# Altium PCB h桥 - 副本.PcbDoc (part 2 of 2)
Units mil, origin at the board's own origin, x right, y up, seen from the top; angles counter-clockwise.
Board outline 3690 x 3125 mil, 4 copper layers (Top Layer, PWR, GND, Bottom Layer), stack 23.756 mil thick; 113 components, 70 nets, 318 pads, 298 vias.
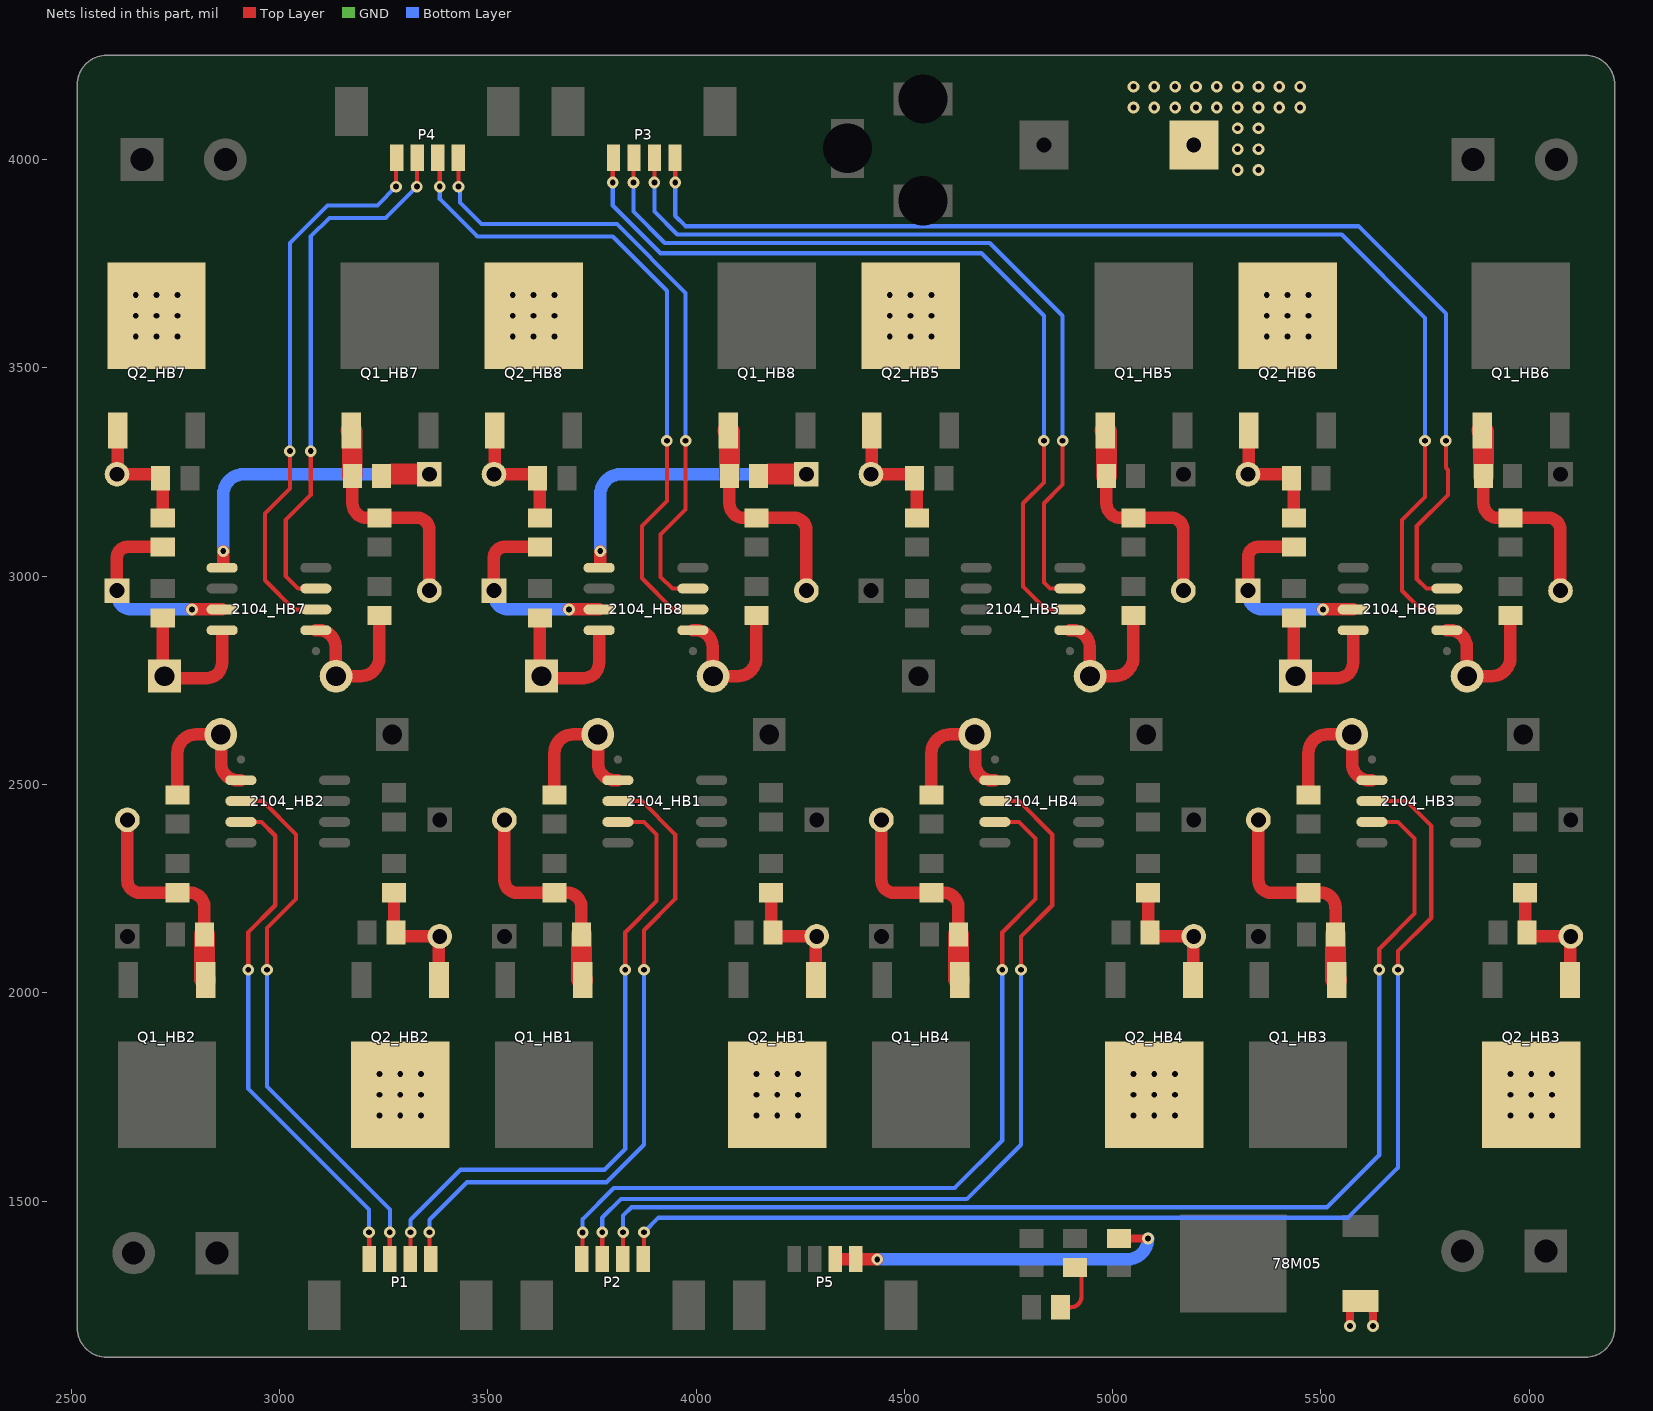
[diagram p4: the nets of this part, all layers, seen from the top]

## Via types
v1: diameter 28, hole 14, Top Layer to Bottom Layer, tented both sides, 298 vias

## Nets (pads, with @x,y where several pads share a name; then routed paths per layer and width w, separated by ;. In a path a pad name is that pad's centre, name@x,y a point inside that pad or via, vN(x,y) a via of type N, cw(c..) or ccw(c..) an arc to the next point about the centre after c; other vN are vias at no path point) (continued)
Net2104_HB6_7: 2104_HB6.7 D2_HB6.2 R3_HB6.1 | length 486.7
  Top Layer w30: D2_HB6.2@5325,2965.24 5325,3045 cw(c5349.96,3045) 5349.96,3069.96 R3_HB6.1@5435,3069.96 ; v1(5505,2920) 2104_HB6.7@5577.48,2920
  Bottom Layer w30: D2_HB6.2@5325,2965.24 5325,2955 ccw(c5360,2955) 5360,2920 v1(5505,2920)
Net2104_HB6_8: 2104_HB6.8 C2_HB6.2 D1_HB6.2 | length 372.5
  Top Layer w30: C2_HB6.2@5435,2899.96 5435,2764.09 ccw(c5439.09,2764.09) D1_HB6.2@5439.09,2760 ccw(c5444.09,2760) 5444.09,2755 5540,2755 ccw(c5540,2792.48) 5577.48,2792.48 2104_HB6.8@5577.48,2860
Net2104_HB7_5: 2104_HB7.5 D3_HB7.2 R1_HB7.1 | length 773.6
  Top Layer w30: 2865,3035 v1(2865,3060)
  Top Layer w50: 3270,3245 3270,3244.76 D3_HB7.2@3360,3244.76
  Bottom Layer w30: v1(2865,3060) 2865,3195 cw(c2914.76,3195) 2914.76,3244.76 D3_HB7.2@3360,3244.76
Net2104_HB7_7: 2104_HB7.7 D2_HB7.2 R3_HB7.1 | length 486.7
  Top Layer w30: D2_HB7.2@2610,2965.24 2610,3045 cw(c2634.96,3045) 2634.96,3069.96 R3_HB7.1@2720,3069.96 ; v1(2790,2920) 2104_HB7.7@2862.48,2920
  Bottom Layer w30: D2_HB7.2@2610,2965.24 2610,2955 ccw(c2645,2955) 2645,2920 v1(2790,2920)
Net2104_HB7_8: 2104_HB7.8 C2_HB7.2 D1_HB7.2 | length 372.5
  Top Layer w30: C2_HB7.2@2720,2899.96 2720,2764.09 ccw(c2724.09,2764.09) D1_HB7.2@2724.09,2760 ccw(c2729.09,2760) 2729.09,2755 2825,2755 ccw(c2825,2792.48) 2862.48,2792.48 2104_HB7.8@2862.48,2860
Net2104_HB8_5: 2104_HB8.5 D3_HB8.2 R1_HB8.1 | length 773.6
  Top Layer w30: 3770,3035 v1(3770,3060)
  Top Layer w50: 4175,3245 4175,3244.76 D3_HB8.2@4265,3244.76
  Bottom Layer w30: v1(3770,3060) 3770,3195 cw(c3819.76,3195) 3819.76,3244.76 D3_HB8.2@4265,3244.76
Net2104_HB8_7: 2104_HB8.7 D2_HB8.2 R3_HB8.1 | length 486.7
  Top Layer w30: D2_HB8.2@3515,2965.24 3515,3045 cw(c3539.96,3045) 3539.96,3069.96 R3_HB8.1@3625,3069.96 ; v1(3695,2920) 2104_HB8.7@3767.48,2920
  Bottom Layer w30: D2_HB8.2@3515,2965.24 3515,2955 ccw(c3550,2955) 3550,2920 v1(3695,2920)
Net2104_HB8_8: 2104_HB8.8 C2_HB8.2 D1_HB8.2 | length 372.5
  Top Layer w30: C2_HB8.2@3625,2899.96 3625,2764.09 ccw(c3629.09,2764.09) D1_HB8.2@3629.09,2760 ccw(c3634.09,2760) 3634.09,2755 3730,2755 ccw(c3730,2792.48) 3767.48,2792.48 2104_HB8.8@3767.48,2860
NetD2_HB1_1: D2_HB1.1 Q2_HB1.1 R3_HB1.2 R4_HB1.2 | length 314.2
  Top Layer w30: R3_HB1.2@4180,2239.96 4180,2150.04 ccw(c4185.04,2150.04) R4_HB1.2@4185.04,2145 ccw(c4194.8,2145) 4194.8,2135.24 4287.96,2135.24 D2_HB1.1@4290,2135.24 ccw(c4290,2133.2) 4287.96,2133.2 Q2_HB1.1@4287.96,2030.59
NetD2_HB2_1: D2_HB2.1 Q2_HB2.1 R3_HB2.2 R4_HB2.2 | length 314.2
  Top Layer w30: R3_HB2.2@3275,2239.96 3275,2150.04 ccw(c3280.04,2150.04) R4_HB2.2@3280.04,2145 ccw(c3289.8,2145) 3289.8,2135.24 D2_HB2.1@3385,2135.24 ccw(c3385,2133.2) 3382.96,2133.2 Q2_HB2.1@3382.96,2030.59
NetD2_HB3_1: D2_HB3.1 Q2_HB3.1 R3_HB3.2 R4_HB3.2 | length 314.2
  Top Layer w30: R3_HB3.2@5990,2239.96 5990,2150.04 ccw(c5995.04,2150.04) R4_HB3.2@5995.04,2145 ccw(c6004.8,2145) 6004.8,2135.24 D2_HB3.1@6100,2135.24 ccw(c6100,2133.2) 6097.96,2133.2 Q2_HB3.1@6097.96,2030.59
NetD2_HB4_1: D2_HB4.1 Q2_HB4.1 R3_HB4.2 R4_HB4.2 | length 314.2
  Top Layer w30: R3_HB4.2@5085,2239.96 5085,2150.04 ccw(c5090.04,2150.04) R4_HB4.2@5090.04,2145 ccw(c5099.8,2145) 5099.8,2135.24 D2_HB4.1@5195,2135.24 ccw(c5195,2133.2) 5192.96,2133.2 Q2_HB4.1@5192.96,2030.59
NetD2_HB5_1: D2_HB5.1 Q2_HB5.1 R3_HB5.2 R4_HB5.2 | length 314.2
  Top Layer w30: Q2_HB5.1@4422.04,3349.41 4422.04,3246.8 cw(c4420,3246.8) D2_HB5.1@4420,3244.76 4515.2,3244.76 cw(c4515.2,3235) R4_HB5.2@4524.96,3235 cw(c4524.96,3229.96) 4530,3229.96 R3_HB5.2@4530,3140.04
NetD2_HB6_1: D2_HB6.1 Q2_HB6.1 R3_HB6.2 R4_HB6.2 | length 314.2
  Top Layer w30: Q2_HB6.1@5327.04,3349.41 5327.04,3246.8 cw(c5325,3246.8) D2_HB6.1@5325,3244.76 5420.2,3244.76 cw(c5420.2,3235) R4_HB6.2@5429.96,3235 cw(c5429.96,3229.96) 5435,3229.96 R3_HB6.2@5435,3140.04
NetD2_HB7_1: D2_HB7.1 Q2_HB7.1 R3_HB7.2 R4_HB7.2 | length 314.2
  Top Layer w30: Q2_HB7.1@2612.04,3349.41 2612.04,3246.8 cw(c2610,3246.8) D2_HB7.1@2610,3244.76 2705.2,3244.76 cw(c2705.2,3235) R4_HB7.2@2714.96,3235 cw(c2714.96,3229.96) 2720,3229.96 R3_HB7.2@2720,3140.04
NetD2_HB8_1: D2_HB8.1 Q2_HB8.1 R3_HB8.2 R4_HB8.2 | length 314.2
  Top Layer w30: Q2_HB8.1@3517.04,3349.41 3517.04,3246.8 cw(c3515,3246.8) D2_HB8.1@3515,3244.76 3610.2,3244.76 cw(c3610.2,3235) R4_HB8.2@3619.96,3235 cw(c3619.96,3229.96) 3625,3229.96 R3_HB8.2@3625,3140.04
NetD3_HB1_1: D3_HB1.1 Q1_HB1.1 R1_HB1.2 R2_HB1.1 | length 545.8
  Top Layer w30: D3_HB1.1@3540,2414.76 3540,2270 ccw(c3570,2270) 3570,2240 R2_HB1.1@3655.04,2240 ; R2_HB1.1@3655.04,2235 ccw(c3655.04,2239.96) R2_HB1.1@3660,2239.96 3690.04,2239.96 cw(c3690.04,2205) 3725,2205 ; R1_HB1.2@3725.04,2140 3725.04,2205
  Top Layer w50: R1_HB1.2@3725.04,2140 3725.04,2033.51 ccw(c3727.96,2033.51) Q1_HB1.1@3727.96,2030.59
NetD3_HB2_1: D3_HB2.1 Q1_HB2.1 R1_HB2.2 R2_HB2.1 | length 545.8
  Top Layer w30: D3_HB2.1@2635,2414.76 2635,2270 ccw(c2665,2270) 2665,2240 R2_HB2.1@2750.04,2240 ; R2_HB2.1@2750.04,2235 ccw(c2750.04,2239.96) R2_HB2.1@2755,2239.96 2785.04,2239.96 cw(c2785.04,2205) 2820,2205 ; R1_HB2.2@2820.04,2140 2820.04,2205
  Top Layer w50: R1_HB2.2@2820.04,2140 2820.04,2033.51 ccw(c2822.96,2033.51) Q1_HB2.1@2822.96,2030.59
NetD3_HB3_1: D3_HB3.1 Q1_HB3.1 R1_HB3.2 R2_HB3.1 | length 545.8
  Top Layer w30: D3_HB3.1@5350,2414.76 5350,2270 ccw(c5380,2270) 5380,2240 R2_HB3.1@5465.04,2240 ; R2_HB3.1@5465.04,2235 ccw(c5465.04,2239.96) R2_HB3.1@5470,2239.96 5500.04,2239.96 cw(c5500.04,2205) 5535,2205 ; R1_HB3.2@5535.04,2140 5535.04,2205
  Top Layer w50: R1_HB3.2@5535.04,2140 5535.04,2033.51 ccw(c5537.96,2033.51) Q1_HB3.1@5537.96,2030.59
NetD3_HB4_1: D3_HB4.1 Q1_HB4.1 R1_HB4.2 R2_HB4.1 | length 545.8
  Top Layer w30: D3_HB4.1@4445,2414.76 4445,2270 ccw(c4475,2270) 4475,2240 R2_HB4.1@4560.04,2240 ; R2_HB4.1@4560.04,2235 ccw(c4560.04,2239.96) R2_HB4.1@4565,2239.96 4595.04,2239.96 cw(c4595.04,2205) 4630,2205 ; R1_HB4.2@4630.04,2140 4630.04,2205
  Top Layer w50: R1_HB4.2@4630.04,2140 4630.04,2033.51 ccw(c4632.96,2033.51) Q1_HB4.1@4632.96,2030.59
NetD3_HB5_1: D3_HB5.1 Q1_HB5.1 R1_HB5.2 R2_HB5.1 | length 545.8
  Top Layer w30: 4984.96,3175 R1_HB5.2@4984.96,3240 ; 4985,3175 ccw(c5019.96,3175) 5019.96,3140.04 R2_HB5.1@5050,3140.04 cw(c5054.96,3140.04) R2_HB5.1@5054.96,3145 ; R2_HB5.1@5054.96,3140 5140,3140 cw(c5140,3110) 5170,3110 D3_HB5.1@5170,2965.24
  Top Layer w50: Q1_HB5.1@4982.04,3349.41 cw(c4982.04,3346.49) 4984.96,3346.49 R1_HB5.2@4984.96,3240
NetD3_HB6_1: D3_HB6.1 Q1_HB6.1 R1_HB6.2 R2_HB6.1 | length 545.8
  Top Layer w30: 5889.96,3175 R1_HB6.2@5889.96,3240 ; 5890,3175 ccw(c5924.96,3175) 5924.96,3140.04 R2_HB6.1@5955,3140.04 cw(c5959.96,3140.04) R2_HB6.1@5959.96,3145 ; R2_HB6.1@5959.96,3140 6045,3140 cw(c6045,3110) 6075,3110 D3_HB6.1@6075,2965.24
  Top Layer w50: Q1_HB6.1@5887.04,3349.41 cw(c5887.04,3346.49) 5889.96,3346.49 R1_HB6.2@5889.96,3240
NetD3_HB7_1: D3_HB7.1 Q1_HB7.1 R1_HB7.2 R2_HB7.1 | length 545.8
  Top Layer w30: 3174.96,3175 R1_HB7.2@3174.96,3240 ; 3175,3175 ccw(c3209.96,3175) 3209.96,3140.04 R2_HB7.1@3240,3140.04 cw(c3244.96,3140.04) R2_HB7.1@3244.96,3145 ; R2_HB7.1@3244.96,3140 3330,3140 cw(c3330,3110) 3360,3110 D3_HB7.1@3360,2965.24
  Top Layer w50: Q1_HB7.1@3172.04,3349.41 cw(c3172.04,3346.49) 3174.96,3346.49 R1_HB7.2@3174.96,3240
NetD3_HB8_1: D3_HB8.1 Q1_HB8.1 R1_HB8.2 R2_HB8.1 | length 545.8
  Top Layer w30: 4079.96,3175 R1_HB8.2@4079.96,3240 ; 4080,3175 ccw(c4114.96,3175) 4114.96,3140.04 R2_HB8.1@4145,3140.04 cw(c4149.96,3140.04) R2_HB8.1@4149.96,3145 ; R2_HB8.1@4149.96,3140 4235,3140 cw(c4235,3110) 4265,3110 D3_HB8.1@4265,2965.24
  Top Layer w50: Q1_HB8.1@4077.04,3349.41 cw(c4077.04,3346.49) 4079.96,3346.49 R1_HB8.2@4079.96,3240
NetLED1_1: LED1.1 R.2 | length 142.7
  Top Layer w10: LED1.1@4875.04,1245 4900,1245 ccw(c4900,1270) 4925,1270 4925,1324.92 ccw(c4910,1324.92) R.2@4910,1339.92
NetP5_3: P5.3 P5.4 R0.2 | length 850.1
  Top Layer w10: P5.4@4383.28,1360 P5.4@4383.28,1360.65
  Top Layer w20: R0.2@5015,1410.04 R0.2@5015,1410.04 v1(5085,1410)
  Top Layer w30: P5.3@4334.06,1360.65 P5.4@4383.28,1360.65 ; P5.4@4383.28,1360 v1(4435,1360)
  Bottom Layer w30: v1(4435,1360) 5035,1360 ccw(c5035,1410) v1(5085,1410)
PWM1: 2104_HB1.2 P1.4 | length 1632
  Top Layer w10: v1(3360,1425) 3360,1363.93 P1.4@3363.28,1360.65 ; 2104_HB1.2@3812.48,2460 3870,2460 3950,2380 3950,2225 3875,2150 v1(3875,2055)
  Bottom Layer w10: v1(3360,1425) 3360,1455 3450,1545 3785,1545 3875,1635 v1(3875,2055)
PWM2: 2104_HB2.2 P1.2 | length 1336.3
  Top Layer w10: 2104_HB2.2@2907.48,2460 2960,2460 3040,2380 3040,2225 2970,2155 v1(2970,2055) ; P1.2@3264.85,1360.65 3264.85,1424.85 v1(3265,1425)
  Bottom Layer w10: v1(2970,2055) 2970,1775 3265,1480 v1(3265,1425)
PWM3: 2104_HB3.2 P2.4 | length 2959.8
  Top Layer w10: P2.4@3873.28,1360.65 3875,1362.38 v1(3875,1425) ; 2104_HB3.2@5622.48,2460 5705,2460 5765,2400 5765,2180 5685,2100 v1(5685,2055)
  Bottom Layer w10: v1(3875,1425) 3910,1460 5518.28,1460 5565,1460 5685,1580 v1(5685,2055)
PWM4: 2104_HB4.2 P2.2 | length 2123.6
  Top Layer w10: P2.2@3774.85,1360.65 3775,1360.8 v1(3775,1425) ; 2104_HB4.2@4717.48,2460 4775,2460 4855,2380 4855,2210 4780,2135 v1(4780,2055)
  Bottom Layer w10: v1(3775,1425) 3775,1460 3820,1505 4650,1505 4780,1635 v1(4780,2055)
PWM5: 2104_HB5.2 P3.4 | length 2066.1
  Top Layer w10: v1(3800,3945) 3800,4002.62 cw(c3801.72,4002.62) P3.4@3801.72,4004.35 ; v1(4835,3325) 4835,3225 4785,3175 4785,2975 4840,2920 2104_HB5.2@4897.52,2920
  Bottom Layer w10: v1(3800,3945) 3800,3890 3915,3775 4685,3775 4835,3625 v1(4835,3325)
PWM6: 2104_HB6.2 P3.2 | length 2889.1
  Top Layer w10: v1(3900,3945) 3900,4004.35 P3.2@3900.15,4004.35 ; v1(5750,3325) 5750,3190 5695,3135 5695,2965 5740,2920 2104_HB6.2@5802.52,2920
  Bottom Layer w10: v1(3900,3945) 3900,3875 3955,3820 5550,3820 5750,3620 v1(5750,3325)
PWM7: 2104_HB7.2 P4.4 | length 1367.3
  Top Layer w10: v1(3025,3300) 3025,3210 2965,3150 2965,2990 3035,2920 2104_HB7.2@3087.52,2920 ; v1(3280,3935) 3280,4002.62 P4.4@3281.72,4004.35
  Bottom Layer w10: v1(3025,3300) 3025,3800 3115,3890 3235,3890 v1(3280,3935)
PWM8: 2104_HB8.2 P4.2 | length 1613.9
  Top Layer w10: P4.2@3380,4004.35 P4.2@3380.15,4004.35 cw(c3380.15,3999.5) 3385,3999.5 v1(3385,3935) ; v1(3930,3325) 3930,3180 3870,3120 3870,2995 3945,2920 2104_HB8.2@3992.52,2920
  GND w10: v1@3380,3930 v1(3385,3935)
  Bottom Layer w10: v1(3385,3935) 3385,3905 3475,3815 3800,3815 3930,3685 v1(3930,3325)
SD1: 2104_HB1.3 P1.3 | length 1571.2
  Top Layer w10: P1.3@3314.06,1360.65 3315,1361.59 v1(3315,1425) ; 2104_HB1.3@3812.48,2410 3875,2410 3905,2380 3905,2220 3830,2145 v1(3830,2055)
  Bottom Layer w10: v1(3315,1425) 3315,1455 3435,1575 3780,1575 3830,1625 v1(3830,2055)
SD2: 2104_HB2.3 P1.1 | length 1264.1
  Top Layer w10: 2104_HB2.3@2907.48,2410 2956.85,2410 2990,2376.85 2990,2210 2925,2145 v1(2925,2055) ; v1(3215,1425) 3220,1420 ccw(c3220,1415.64) 3215.64,1415.64 P1.1@3215.64,1360.65
  Bottom Layer w10: v1(2925,2055) 2925,1770 3215,1480 v1(3215,1425)
SD3: 2104_HB3.3 P2.3 | length 2894.1
  Top Layer w10: P2.3@3824.06,1360.65 3825,1361.59 v1(3825,1425) ; 2104_HB3.3@5622.48,2410 5685,2410 5725,2370 5725,2190 5640,2105 v1(5640,2055)
  Bottom Layer w10: v1(3825,1425) 3825,1465 3845,1485 5515,1485 5640,1610 v1(5640,2055)
SD4: 2104_HB4.3 P2.1 | length 2066.4
  Top Layer w10: P2.1@3725.64,1360.65 3727.82,1362.83 v1@3727.82,1422.82 ; 2104_HB4.3@4717.48,2410 4775,2410 4815,2370 4815,2225 4735,2145 v1(4735,2055) ; v1@3727.82,1422.82 v1(3727.82,1424.42) ; v1@3727.82,1422.82 3725.64,1420.64 cw(c3730,1420.64) v1(3727.82,1424.42) ; v1(3727.82,1424.42) cw(c3730,1420.64) 3730,1425 3729.42,1424.42 v1(3727.82,1424.42)
  Bottom Layer w10: v1(3727.82,1424.42) 3727.82,1456.1 3802.57,1530.86 4620.86,1530.86 4735,1645 v1(4735,2055)
SD5: 2104_HB5.3 P3.3 | length 1990.8
  Top Layer w10: v1(3850,3945) 3850,4003.41 cw(c3850.94,4003.41) P3.3@3850.94,4004.35 ; v1(4880,3325) 4880,3220 4835,3175 4835,2985 4850,2970 2104_HB5.3@4897.52,2970
  Bottom Layer w10: v1(3850,3945) 3850,3875 3925,3800 4705,3800 4880,3625 v1(4880,3325)
SD6: 2104_HB6.3 P3.1 | length 2844.1
  Top Layer w10: P3.1@3949.36,4004.35 cw(c3949.36,3998.71) 3955,3998.71 3950,3993.71 v1(3950,3945) ; v1(5800,3325) 5800,3260.06 5805,3255.06 5805,3195 5730,3120 5730,2993.15 5753.15,2970 2104_HB6.3@5802.52,2970
  Bottom Layer w10: v1(3950,3945) 3950,3865 3975,3840 5590,3840 5800,3630 v1(5800,3325)
SD7: 2104_HB7.3 P4.3 | length 1299.2
  Top Layer w10: v1(3075,3300) 3075,3195 3015,3135 3015,3000 3045,2970 2104_HB7.3@3087.52,2970 ; v1(3330,3935) 3330,4003.41 P4.3@3330.94,4004.35
  Bottom Layer w10: v1(3075,3300) 3075,3815 3120,3860 3255,3860 v1(3330,3935)
SD8: 2104_HB8.3 P4.1 | length 1544.1
  Top Layer w10: P4.1@3429.36,4004.35 3430,4004.35 v1(3430,3935) ; v1(3975,3325) 3975,3160 3915,3100 3915,2998.15 3943.15,2970 2104_HB8.3@3992.52,2970
  Bottom Layer w10: v1@3425,3930 v1(3430,3935) 3433.44,3931.56 3433.44,3896.56 3485,3845 3810,3845 3975,3680 v1(3975,3325)
VCC: 78M05.1 2104_HB1.1 2104_HB2.1 2104_HB3.1 2104_HB4.1 2104_HB5.1 2104_HB6.1 2104_HB7.1 2104_HB8.1 C1_HB1.2 C1_HB2.2 C1_HB3.2 C1_HB4.2 C1_HB5.2 C1_HB6.2 C1_HB7.2 C1_HB8.2 D1_HB1.1 D1_HB2.1 D1_HB3.1 D1_HB4.1 D1_HB5.1 D1_HB6.1 D1_HB7.1 D1_HB8.1 pad2.1 Q2_HB1.2 Q2_HB2.2 Q2_HB3.2 Q2_HB4.2 Q2_HB5.2 Q2_HB6.2 Q2_HB7.2 Q2_HB8.2 | length 3233
  Top Layer w20: v1(5570,1200) 5570,1234.64 cw(c5595.2,1234.64) 78M05.1@5595.2,1259.84 cw(c5595.2,1230.04) 5625,1230.04 v1(5625,1200)
  Top Layer w30: C1_HB2.2@2755,2475.04 2755,2575 cw(c2800,2575) 2800,2620 D1_HB2.1@2859.09,2620 ; D1_HB2.1@2850,2610.91 cw(c2859.09,2610.91) D1_HB2.1@2859.09,2620 ; 2104_HB2.1@2907.48,2510 2900,2510 cw(c2900,2550) 2860,2550 2860,2620 D1_HB2.1@2859.09,2620 ; 2104_HB7.1@3087.52,2870 3095,2870 cw(c3095,2830) 3135,2830 3135,2760 D1_HB7.1@3135.91,2760 ; D1_HB7.1@3145,2769.09 cw(c3135.91,2769.09) D1_HB7.1@3135.91,2760 ; C1_HB7.2@3240,2904.96 3240,2805 cw(c3195,2805) 3195,2760 D1_HB7.1@3135.91,2760 ; C1_HB1.2@3660,2475.04 3660,2575 cw(c3705,2575) 3705,2620 D1_HB1.1@3764.09,2620 ; D1_HB1.1@3755,2610.91 cw(c3764.09,2610.91) D1_HB1.1@3764.09,2620 ; 2104_HB1.1@3812.48,2510 3805,2510 cw(c3805,2550) 3765,2550 3765,2620 D1_HB1.1@3764.09,2620 ; 2104_HB8.1@3992.52,2870 4000,2870 cw(c4000,2830) 4040,2830 4040,2760 D1_HB8.1@4040.91,2760 ; D1_HB8.1@4050,2769.09 cw(c4040.91,2769.09) D1_HB8.1@4040.91,2760 ; C1_HB8.2@4145,2904.96 4145,2805 cw(c4100,2805) 4100,2760 D1_HB8.1@4040.91,2760 ; C1_HB4.2@4565,2475.04 4565,2575 cw(c4610,2575) 4610,2620 D1_HB4.1@4669.09,2620 ; D1_HB4.1@4660,2610.91 cw(c4669.09,2610.91) D1_HB4.1@4669.09,2620 ; 2104_HB4.1@4717.48,2510 4710,2510 cw(c4710,2550) 4670,2550 4670,2620 D1_HB4.1@4669.09,2620 ; 2104_HB5.1@4897.52,2870 4905,2870 cw(c4905,2830) 4945,2830 4945,2760 D1_HB5.1@4945.91,2760 ; D1_HB5.1@4955,2769.09 cw(c4945.91,2769.09) D1_HB5.1@4945.91,2760 ; C1_HB5.2@5050,2904.96 5050,2805 cw(c5005,2805) 5005,2760 D1_HB5.1@4945.91,2760 ; C1_HB3.2@5470,2475.04 5470,2575 cw(c5515,2575) 5515,2620 D1_HB3.1@5574.09,2620 ; D1_HB3.1@5565,2610.91 cw(c5574.09,2610.91) D1_HB3.1@5574.09,2620 ; 2104_HB3.1@5622.48,2510 5615,2510 cw(c5615,2550) 5575,2550 5575,2620 D1_HB3.1@5574.09,2620 ; 2104_HB6.1@5802.52,2870 5810,2870 cw(c5810,2830) 5850,2830 5850,2760 D1_HB6.1@5850.91,2760 ; D1_HB6.1@5860,2769.09 cw(c5850.91,2769.09) D1_HB6.1@5850.91,2760 ; C1_HB6.2@5955,2904.96 5955,2805 cw(c5910,2805) 5910,2760 D1_HB6.1@5850.91,2760
  other v1: 3240,1705 3290,1705 3340,1705 4145,1705 4195,1705 4245,1705 5050,1705 5100,1705 5150,1705 5955,1705 6005,1705 6055,1705 3240,1755 3290,1755 3340,1755 4145,1755 4195,1755 4245,1755 5050,1755 5100,1755 5150,1755 5955,1755 6005,1755 6055,1755 3240,1805 3290,1805 3340,1805 4145,1805 4195,1805 4245,1805 5050,1805 5100,1805 5150,1805 5955,1805 6005,1805 6055,1805 2655,3575 2705,3575 2755,3575 3560,3575 3610,3575 3660,3575 4465,3575 4515,3575 4565,3575 5370,3575 5420,3575 5470,3575 2655,3625 2705,3625 2755,3625 3560,3625 3610,3625 3660,3625 4465,3625 4515,3625 4565,3625 5370,3625 5420,3625 5470,3625 2655,3675 2705,3675 2755,3675 3560,3675 3610,3675 3660,3675 4465,3675 4515,3675 4565,3675 5370,3675 5420,3675 5470,3675 5300,3975 5350,3975 5300,4025 5350,4025 5300,4075 5350,4075 5050,4125 5100,4125 5150,4125 5200,4125 5250,4125 5300,4125 5350,4125 5400,4125 5450,4125 5050,4175 5100,4175 5150,4175 5200,4175 5250,4175 5300,4175 5350,4175 5400,4175 5450,4175
pads on no net: 2104_HB1.0 2104_HB2.0 2104_HB3.0 2104_HB4.0 2104_HB5.0 2104_HB6.0 2104_HB7.0 2104_HB8.0 P1.0 P2.0 P3.0 P4.0 P5.0

## Polygon pours and split planes (outlines as drawn)
VCC on PWR "PWR-VCC" (solid, remove dead copper, pour order 84): 2538.07,4168.34 cw(c2594.74,4168.34) 2594.74,4225 6145,4225 cw(c6145,4180) 6190,4180 6190,1240 cw(c6090,1240) 6090,1140 2630,1140 cw(c2630,1240) 2530,1240 2530,1285
+12 on PWR "PWR-+12" (solid, remove dead copper, pour order 48): 4460,4090 4930.08,4090 4930.08,3890 cw(c4865.08,3890) 4865.08,3825 4460,3825
MT8 on PWR "GND-MT8" (solid, pour order 66): 4285,3525 cw(c4260,3525) 4260,3500 4095,3500 cw(c4095,3545) 4050,3545 4050,3840 ccw(c3950,3840) 3950,3940 2870,3940 cw(c2870,4035) 2775,4035 2775,4180 cw(c2820,4180) 2820,4225 4185,4225 cw(c4185,4125) 4285,4125
MT5 on PWR "PWR-MT5" (solid, pour order 82): 5730,3775 5730,4170 cw(c5785,4170) 5785,4225 5885.91,4225 cw(c5885.91,4170.17) 5940.74,4170.17 5940.74,3775
MT4 on PWR "GND-MT4" (solid, pour order 76): 4425,1830 cw(c4467.5,1837.5) 4460,1880 4615,1880 cw(c4612.5,1832.5) 4660,1830 4660,1535 ccw(c4760,1535) 4760,1435 5840,1435 cw(c5840,1340) 5935,1340 5935,1195 cw(c5890,1195) 5890,1150 5755,1145 cw(c5767.5,1197.5) 5715.84,1213.13 5715.84,1229.16 ccw(c5596.79,1200.95) 5625,1320 4525.91,1320 cw(c4525,1420) 4425,1420
MT3 on PWR "GND-MT3" (solid, pour order 78): 5325,1845 5325,1855 cw(c5350,1855) 5350,1880 5525,1880 cw(c5525,1845) 5560,1845 5560,1675 ccw(c5660,1675) 5660,1575 6085,1575 cw(c6085,1485) 6175,1485 6175,1230 cw(c6095,1230) 6095,1150 6030,1150 cw(c6030,1225) 5955,1225 5955,1355 ccw(c5855,1355) 5855,1455 5420,1455 cw(c5420,1555) 5320,1555 5320,1850
MT1 on PWR "GND-MT1" (solid, pour order 74): 3520,1840 cw(c3560,1840) 3560,1880 3715,1880 cw(c3715,1845) 3750,1845 3750,1275 cw(c3650,1275) 3650,1175 2790,1175 2790,1585 cw(c2835,1525) 2835,1600 3460,1600 ccw(c3460,1660) 3520,1660
MT2 on PWR "GND-MT2" (solid, pour order 72): 2621.19,1875.87 2821.19,1875.87 cw(c2821.19,1845.87) 2851.19,1845.87 2851.19,1695.87 cw(c2781.19,1695.87) 2781.19,1625.87 ccw(c2781.19,1600.87) 2756.19,1600.87 2756.19,1190.87 cw(c2711.2,1190.86) 2711.19,1145.87 2611.19,1145.87 cw(c2611.19,1200.87) 2556.19,1200.87 2556.19,1830.87 cw(c2606.19,1830.87) 2606.19,1880.87 2621.19,1880.87
MT6 on PWR "GND-MT6" (solid, pour order 68): 6125,3500 5880,3495 cw(c5880,3515) 5860,3515 5860,3675 cw(c5930,3675) 5930,3745 ccw(c5930,3770) 5955,3770 5955,4180 cw(c6000,4180) 6000,4225 6100,4225 cw(c6100,4170) 6155,4170 6155,3542.7 cw(c6124.34,3532.35)
MT5 on PWR "GND-MT5" (solid, pour order 70): 4980,3500 5155,3500 ccw(c5155,3535) 5190,3535 5190,3670 cw(c5290,3670) 5290,3770 5850,3770 ccw(c5872.5,3822.5) 5925,3800 4980,3795
MT7 on PWR "Top Layer-MT7" (solid, pour order 64): 3385,3530 3385,3520 cw(c3360,3520) 3360,3495 3185,3495 cw(c3185,3530) 3150,3530 3150,3700 ccw(c3050,3700) 3050,3800 2625,3800 cw(c2625,3890) 2535,3890 2535,4145 cw(c2615,4145) 2615,4225 2680,4225 cw(c2680,4150) 2755,4150 2755,4020 ccw(c2855,4020) 2855,3920 3290,3920 cw(c3290,3820) 3390,3820 3390,3525
no net on PWR "PWR-No Net" (solid, pour order 46): 4280,4225
no net on PWR "PWR-No Net 1" (solid, pour order 4): 4450,1880
MT8 on GND "GND-MT8" (solid, pour order 44): 4285,3525 cw(c4260,3525) 4260,3500 4095,3500 cw(c4095,3545) 4050,3545 4050,3840 ccw(c3950,3840) 3950,3940 2870,3940 cw(c2870,4035) 2775,4035 2775,4180 cw(c2820,4180) 2820,4225 4185,4225 cw(c4185,4125) 4285,4125
GND on GND "GND-GND 1" (solid, pour order 50): 4310,4230 4720,4230 4720,3620 ccw(c4855,3570) 4805,3435 6065,3435 cw(c6065.01,3335.01) 6165,3335 6165,2075 cw(c6065.01,2074.99) 6065,1975 2605,1975 cw(c2605,2035) 2545,2035 2545,3305 cw(c2642.5,3317.5) 2630,3415 4310,3415
MT6 on GND "GND-MT6" (solid, pour order 60): 6125,3500 5880,3495 cw(c5880,3515) 5860,3515 5860,3675 cw(c5930,3675) 5930,3745 ccw(c5930,3770) 5955,3770 5955,4180 cw(c6000,4180) 6000,4225 6100,4225 cw(c6100,4170) 6155,4170 6155,3542.7 cw(c6124.34,3532.35)
MT7 on GND "GND-MT7" (solid, pour order 58): 3385,3530 3385,3520 cw(c3360,3520) 3360,3495 3185,3495 cw(c3185,3530) 3150,3530 3150,3700 ccw(c3050,3700) 3050,3800 2625,3800 cw(c2625,3890) 2535,3890 2535,4145 cw(c2615,4145) 2615,4225 2680,4225 cw(c2680,4150) 2755,4150 2755,4020 ccw(c2855,4020) 2855,3920 3290,3920 cw(c3290,3820) 3390,3820 3390,3525
MT4 on GND "GND-MT4" (solid, pour order 8): 4425,1835 cw(c4467.5,1842.5) 4460,1885 4615,1885 cw(c4612.5,1837.5) 4660,1835 4660,1540 ccw(c4760,1540) 4760,1440 5840,1440 cw(c5840,1345) 5935,1345 5935,1200 cw(c5890,1200) 5890,1155 5755,1150 cw(c5767.5,1202.5) 5715.84,1218.13 5715.84,1234.16 ccw(c5596.79,1205.95) 5625,1325 4525.91,1325 cw(c4525,1425) 4425,1425
GND on GND "GND-GND" (solid, pour order 52): 4060,1285 5395,1285 cw(c5395,1235) 5445,1235 5445,1165 cw(c5425,1165) 5425,1145 3995,1145 cw(c3995,1245) 3895,1245 3895,1980 cw(c3915,1980) 3915,2000 4030,2000 cw(c4030,1970) 4060,1970
MT2 on GND "GND-MT2" (solid, pour order 16): 2621.19,1875.87 2821.19,1875.87 cw(c2821.19,1845.87) 2851.19,1845.87 2851.19,1695.87 cw(c2781.19,1695.87) 2781.19,1625.87 ccw(c2781.19,1600.87) 2756.19,1600.87 2756.19,1190.87 cw(c2711.2,1190.86) 2711.19,1145.87 2611.19,1145.87 cw(c2611.19,1200.87) 2556.19,1200.87 2556.19,1830.87 cw(c2606.19,1830.87) 2606.19,1880.87 2621.19,1880.87
MT1 on GND "GND-MT1" (solid, pour order 12): 3520,1840 cw(c3560,1840) 3560,1880 3715,1880 cw(c3715,1845) 3750,1845 3750,1275 cw(c3650,1275) 3650,1175 2790,1175 2790,1585 cw(c2835,1525) 2835,1600 3460,1600 ccw(c3460,1660) 3520,1660
MT3 on GND "GND-MT3" (solid, pour order 2): 5325,1850 5325,1860 cw(c5350,1860) 5350,1885 5525,1885 cw(c5525,1850) 5560,1850 5560,1680 ccw(c5660,1680) 5660,1580 6085,1580 cw(c6085,1490) 6175,1490 6175,1235 cw(c6095,1235) 6095,1155 6030,1155 cw(c6030,1230) 5955,1230 5955,1360 ccw(c5855,1360) 5855,1460 5420,1460 cw(c5420,1560) 5320,1560 5320,1855
MT5 on GND "GND-MT5" (solid, pour order 40): 4960,3530 ccw(c4990,3530) 4990,3500 5155,3500 ccw(c5155,3535) 5190,3535 5190,3670 cw(c5290,3670) 5290,3770 5855,3770 ccw(c5855,3855) 5940,3855 5940,4165 ccw(c5887.5,4172.5) 5895,4225 5080,4225 ccw(c5108.87,4077.9) 4960,4060.26
+12 on Top Layer "Top Layer-+12" (solid, pour order 92): 4465,4019.91 cw(c4510,4020) 4510,4065 4595,4065 ccw(c4595,4120) 4650,4120 4650,4165 cw(c4705,4165) 4705,4220 4880,4220 cw(c4880,4165) 4935,4165 4935,3910 cw(c4845,3910) 4845,3820 4515,3820 cw(c4515,3870) 4465,3870
VCC on Top Layer "Top Layer-VCC" (solid, pour order 86): 5281.35,3479.76 5281.35,3699.76 ccw(c5181.35,3699.76) 5181.35,3799.76 5066.35,3799.76 cw(c5066.35,3899.76) 4966.35,3899.76 4966.35,4169.76 cw(c5021.35,4169.76) 5021.35,4224.76 5450,4224.76 cw(c5437.62,4122.38) 5540,4110 5540,3560 cw(c5449.98,3569.75) 5440,3479.76
MT2 on Top Layer "Top Layer-MT2" (solid, pour order 62): 2620,1875 2820,1875 cw(c2820,1845) 2850,1845 2850,1695 cw(c2780,1695) 2780,1625 ccw(c2780,1600) 2755,1600 2755,1190 cw(c2710,1190) 2710,1145 2610,1145 cw(c2610,1200) 2555,1200 2555,1830 cw(c2605,1830) 2605,1880 2620,1880
MT6 on Top Layer "Top Layer-MT6" (solid, pour order 26): 6095,3500 5885,3500 cw(c5885,3520) 5865,3520 5865,3680 cw(c5935,3680) 5935,3750 ccw(c5935,3775) 5960,3775 5960,4185 cw(c6005,4185) 6005,4230 6105,4230 cw(c6105,4175) 6160,4175 6160,3545 cw(c6110,3545) 6110,3495 6095,3495
MT7 on Top Layer "Top Layer-MT7" (solid, pour order 42): 3385,3530 3385,3520 cw(c3360,3520) 3360,3495 3185,3495 cw(c3185,3530) 3150,3530 3150,3700 ccw(c3050,3700) 3050,3800 2625,3800 cw(c2625,3890) 2535,3890 2535,4145 cw(c2615,4145) 2615,4225 2680,4225 cw(c2680,4150) 2755,4150 2755,4020 ccw(c2855,4020) 2855,3920 3290,3920 cw(c3290,3820) 3390,3820 3390,3525
GND on Bottom Layer "Bottom Layer-GND" (solid, remove dead copper, pour order 88): 2540,4160 2540,4170 cw(c2600,4170) 2600,4230 6110,4230 cw(c6110,4155) 6185,4155 6185,1230 cw(c6105,1230) 6105,1150 2600,1150 cw(c2600,1215) 2535,1215

## Other copper
Bottom Layer:
  region net PWM7: 3025,3325

## Silkscreen, mask and mechanical layers (free items; w line width, h text height)
Top Overlay:
  text "开关焊盘" at 4880,3895 h60
  text "2v-20v input" at 3975,3845 h30
  text "四路电机驱动" at 3460,2520 h60 r90
  text "四路电机驱动" at 4375,2520 h60 r90
  text "四路电机驱动" at 5270,2515 h60 r90
  text "Elin design" at 3395,1460 h200
  text "+5" at 4095,1370 h30
  text "gnd" at 4485,1365 h30
  text "+" at 4935,1210 h30
Bottom Overlay:
  text "四路电机驱动" at 3775,3810 h100
  text "Elin design" at 5540,3535 h300
  text "quatro motor driver" at 5560,1695 h300
  text "科技工场" at 3780,1490 h100
Mechanical 1:
  the board outline again, w40

## Dimensions
6135,1125 to 6135,4250 on Mechanical 1
2515,1195 to 6205,1195 on Mechanical 1